# Altium PCB PCB1.PcbDoc (part 3 of 6)
Units mil, origin at the board's own origin, x right, y up, seen from the top; angles counter-clockwise.
Board outline 6000 x 4000 mil, 2 copper layers (Top Layer, Bottom Layer); 1225 components, 1503 nets, 4471 pads, 66 vias.
Unrouted connection lines stored in the file: 2021.
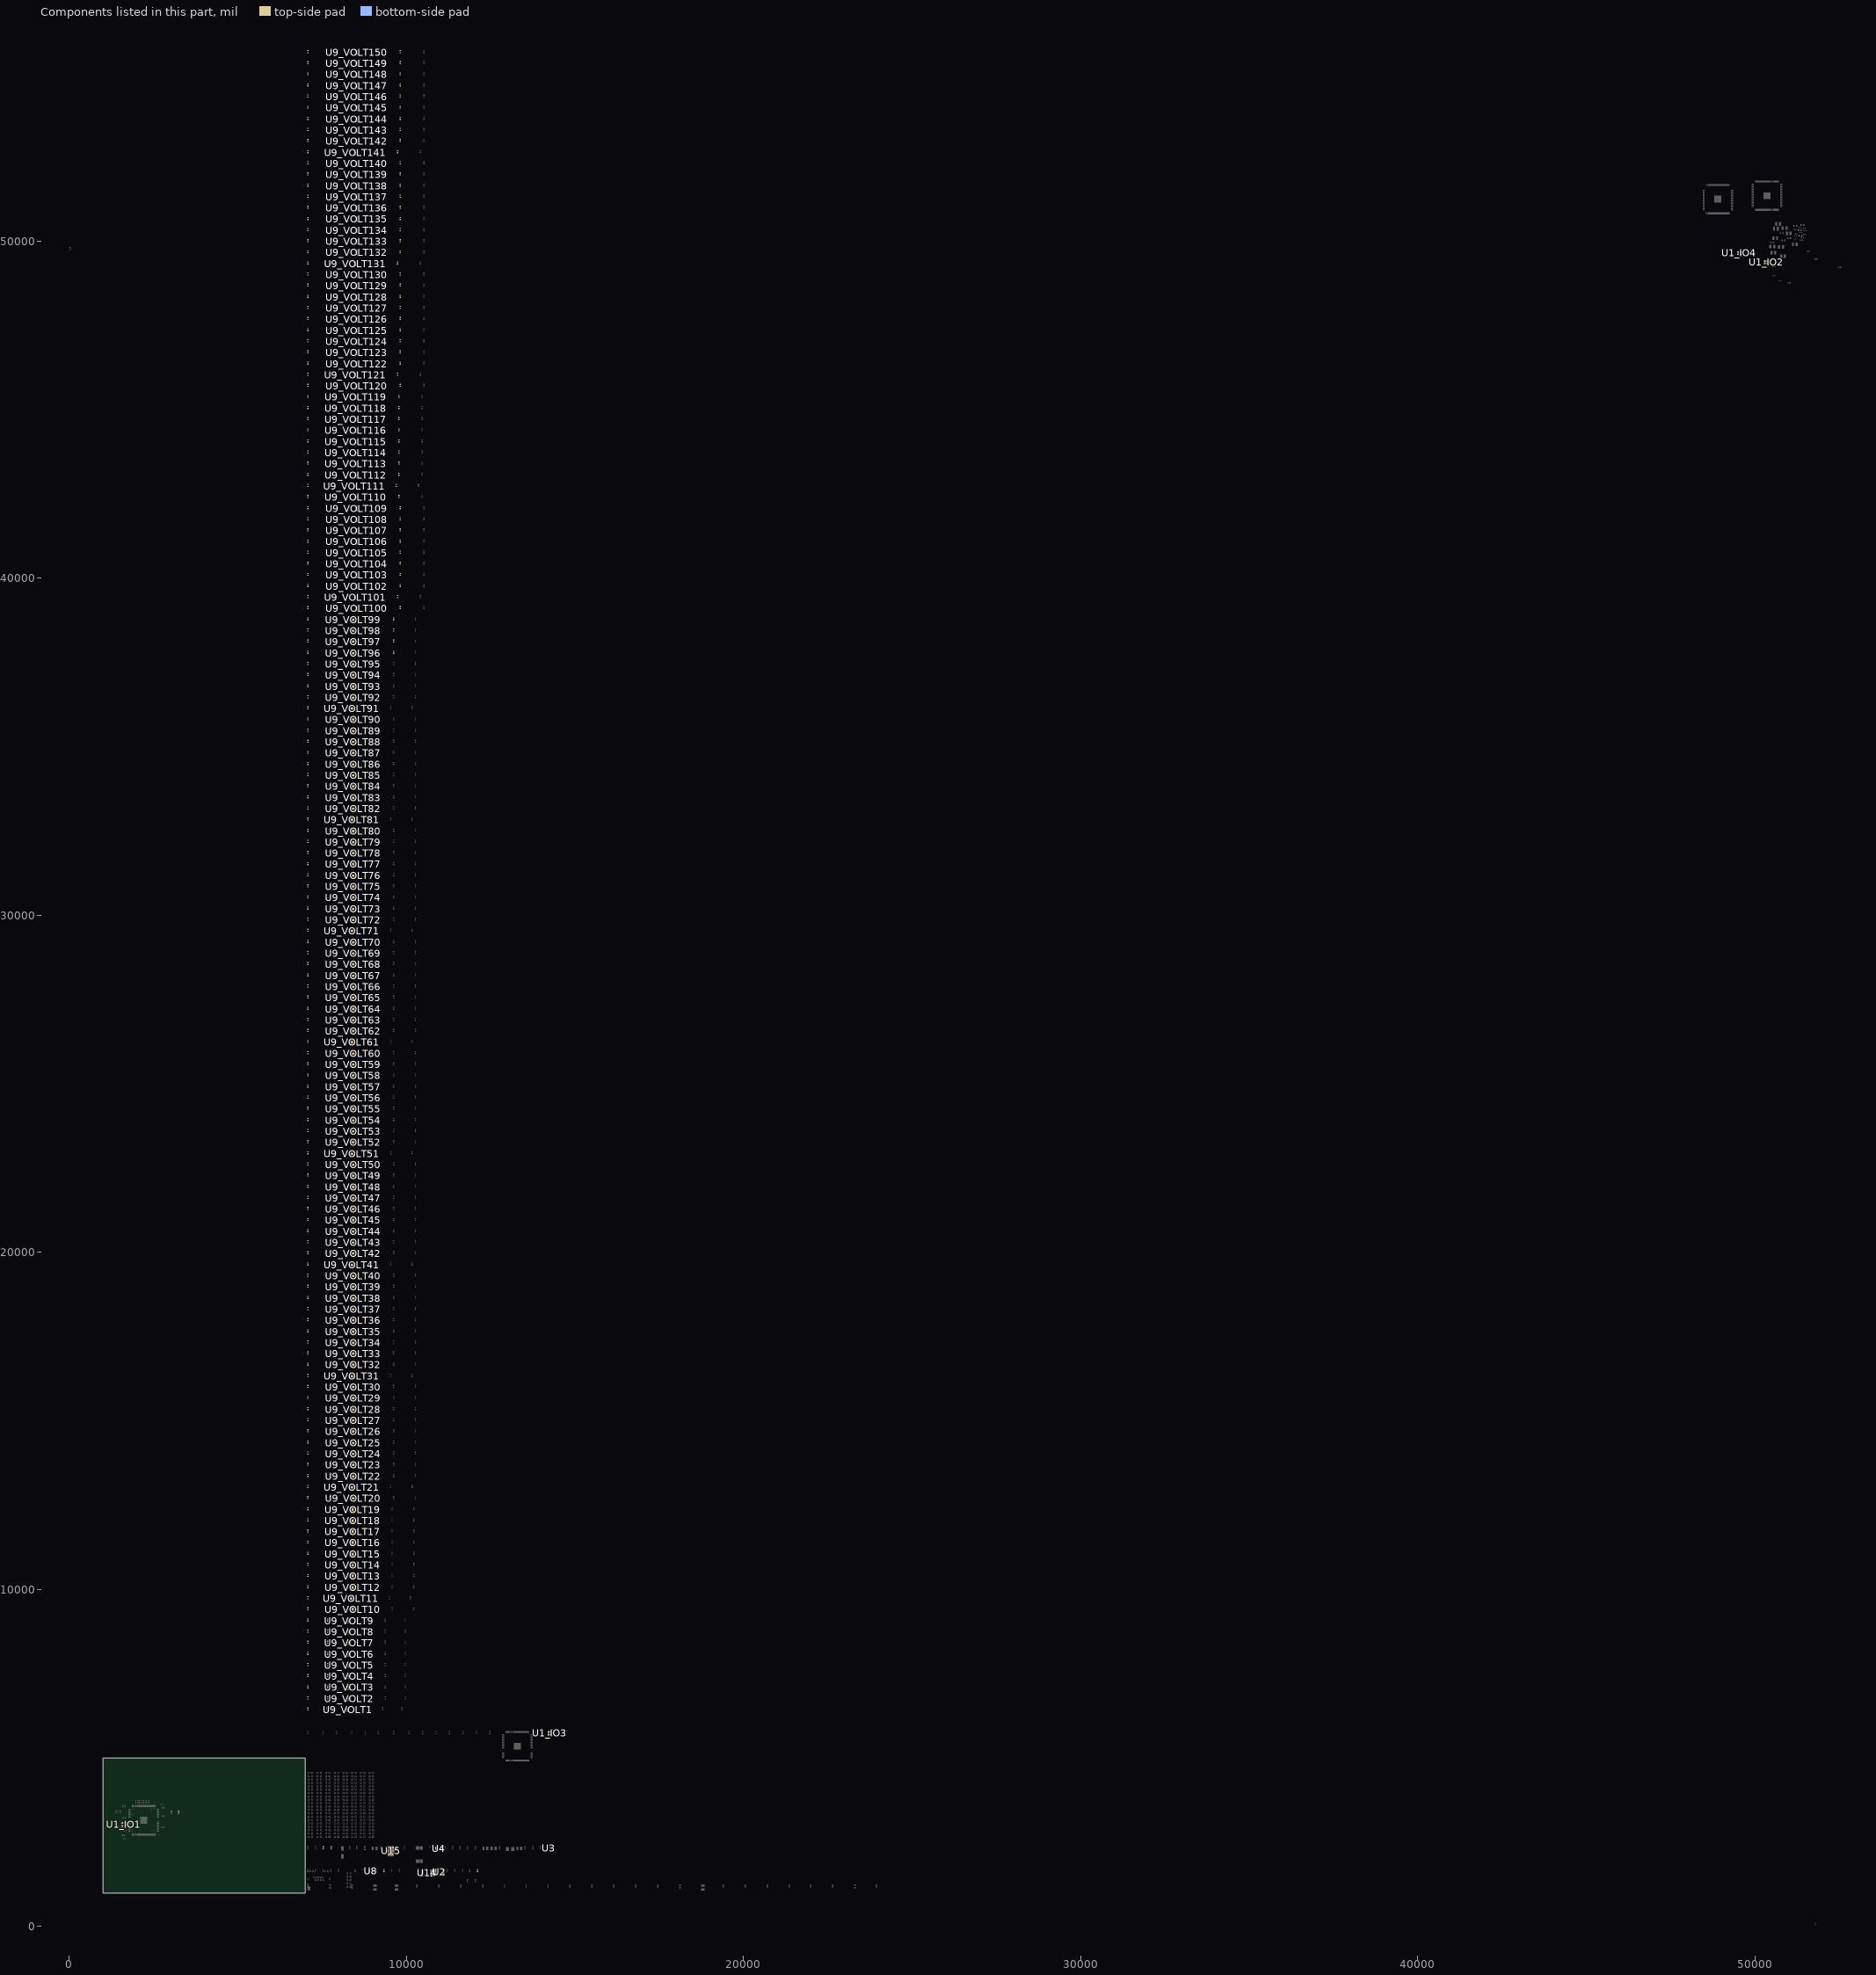
[diagram p3: the components of this part, seen from the top]

## Components (designator, comment, footprint, x,y, rotation, side; value= is the part's Value field where it differs from the comment) (continued)
R27_VOLT96 "160R" 0603R 9620,37805 r90 top (schematic designator R27)
R27_VOLT97 "160R" 0603R 9620,38135 r90 top (schematic designator R27)
R27_VOLT98 "160R" 0603R 9620,38465 r90 top (schematic designator R27)
R27_VOLT99 "160R" 0603R 9620,38795 r90 top (schematic designator R27)
R27_VOLT100 "160R" 0603R 9820,39125 r90 top (schematic designator R27)
R27_VOLT101 "160R" 0603R 9740,39455 r90 top (schematic designator R27)
R27_VOLT102 "160R" 0603R 9820,39785 r90 top (schematic designator R27)
R27_VOLT103 "160R" 0603R 9820,40115 r90 top (schematic designator R27)
R27_VOLT104 "160R" 0603R 9820,40445 r90 top (schematic designator R27)
R27_VOLT105 "160R" 0603R 9820,40775 r90 top (schematic designator R27)
R27_VOLT106 "160R" 0603R 9820,41105 r90 top (schematic designator R27)
R27_VOLT107 "160R" 0603R 9820,41435 r90 top (schematic designator R27)
R27_VOLT108 "160R" 0603R 9820,41765 r90 top (schematic designator R27)
R27_VOLT109 "160R" 0603R 9820,42095 r90 top (schematic designator R27)
R27_VOLT110 "160R" 0603R 9780,42425 r90 top (schematic designator R27)
R27_VOLT111 "160R" 0603R 9700,42755 r90 top (schematic designator R27)
R27_VOLT112 "160R" 0603R 9780,43085 r90 top (schematic designator R27)
R27_VOLT113 "160R" 0603R 9780,43415 r90 top (schematic designator R27)
R27_VOLT114 "160R" 0603R 9780,43745 r90 top (schematic designator R27)
R27_VOLT115 "160R" 0603R 9780,44075 r90 top (schematic designator R27)
R27_VOLT116 "160R" 0603R 9780,44405 r90 top (schematic designator R27)
R27_VOLT117 "160R" 0603R 9780,44735 r90 top (schematic designator R27)
R27_VOLT118 "160R" 0603R 9780,45065 r90 top (schematic designator R27)
R27_VOLT119 "160R" 0603R 9780,45395 r90 top (schematic designator R27)
R27_VOLT120 "160R" 0603R 9820,45725 r90 top (schematic designator R27)
R27_VOLT121 "160R" 0603R 9740,46055 r90 top (schematic designator R27)
R27_VOLT122 "160R" 0603R 9820,46385 r90 top (schematic designator R27)
R27_VOLT123 "160R" 0603R 9820,46715 r90 top (schematic designator R27)
R27_VOLT124 "160R" 0603R 9820,47045 r90 top (schematic designator R27)
R27_VOLT125 "160R" 0603R 9820,47375 r90 top (schematic designator R27)
R27_VOLT126 "160R" 0603R 9820,47705 r90 top (schematic designator R27)
R27_VOLT127 "160R" 0603R 9820,48035 r90 top (schematic designator R27)
R27_VOLT128 "160R" 0603R 9820,48365 r90 top (schematic designator R27)
R27_VOLT129 "160R" 0603R 9820,48695 r90 top (schematic designator R27)
R27_VOLT130 "160R" 0603R 9820,49025 r90 top (schematic designator R27)
R27_VOLT131 "160R" 0603R 9740,49355 r90 top (schematic designator R27)
R27_VOLT132 "160R" 0603R 9820,49685 r90 top (schematic designator R27)
R27_VOLT133 "160R" 0603R 9820,50015 r90 top (schematic designator R27)
R27_VOLT134 "160R" 0603R 9820,50345 r90 top (schematic designator R27)
R27_VOLT135 "160R" 0603R 9820,50675 r90 top (schematic designator R27)
R27_VOLT136 "160R" 0603R 9820,51005 r90 top (schematic designator R27)
R27_VOLT137 "160R" 0603R 9820,51335 r90 top (schematic designator R27)
R27_VOLT138 "160R" 0603R 9820,51665 r90 top (schematic designator R27)
R27_VOLT139 "160R" 0603R 9820,51995 r90 top (schematic designator R27)
R27_VOLT140 "160R" 0603R 9820,52325 r90 top (schematic designator R27)
R27_VOLT141 "160R" 0603R 9740,52655 r90 top (schematic designator R27)
R27_VOLT142 "160R" 0603R 9820,52985 r90 top (schematic designator R27)
R27_VOLT143 "160R" 0603R 9820,53315 r90 top (schematic designator R27)
R27_VOLT144 "160R" 0603R 9820,53645 r90 top (schematic designator R27)
R27_VOLT145 "160R" 0603R 9820,53975 r90 top (schematic designator R27)
R27_VOLT146 "160R" 0603R 9820,54305 r90 top (schematic designator R27)
R27_VOLT147 "160R" 0603R 9820,54635 r90 top (schematic designator R27)
R27_VOLT148 "160R" 0603R 9820,54965 r90 top (schematic designator R27)
R27_VOLT149 "160R" 0603R 9820,55295 r90 top (schematic designator R27)
R27_VOLT150 "160R" 0603R 9820,55625 r90 top (schematic designator R27)
R28_VOLT1 "1K" 0603R 7080,6455 r90 top (schematic designator R28)
R28_VOLT2 "1K" 0603R 7080,6785 r90 top (schematic designator R28)
R28_VOLT3 "1K" 0603R 7080,7115 r90 top (schematic designator R28)
R28_VOLT4 "1K" 0603R 7080,7445 r90 top (schematic designator R28)
R28_VOLT5 "1K" 0603R 7080,7775 r90 top (schematic designator R28)
R28_VOLT6 "1K" 0603R 7080,8105 r90 top (schematic designator R28)
R28_VOLT7 "1K" 0603R 7080,8435 r90 top (schematic designator R28)
R28_VOLT8 "1K" 0603R 7080,8765 r90 top (schematic designator R28)
R28_VOLT9 "1K" 0603R 7080,9095 r90 top (schematic designator R28)
R28_VOLT10 "1K" 0603R 7080,9425 r90 top (schematic designator R28)
R28_VOLT11 "1K" 0603R 7080,9755 r90 top (schematic designator R28)
R28_VOLT12 "1K" 0603R 7080,10085 r90 top (schematic designator R28)
R28_VOLT13 "1K" 0603R 7080,10415 r90 top (schematic designator R28)
R28_VOLT14 "1K" 0603R 7080,10745 r90 top (schematic designator R28)
R28_VOLT15 "1K" 0603R 7080,11075 r90 top (schematic designator R28)
R28_VOLT16 "1K" 0603R 7080,11405 r90 top (schematic designator R28)
R28_VOLT17 "1K" 0603R 7080,11735 r90 top (schematic designator R28)
R28_VOLT18 "1K" 0603R 7080,12065 r90 top (schematic designator R28)
R28_VOLT19 "1K" 0603R 7080,12395 r90 top (schematic designator R28)
R28_VOLT20 "1K" 0603R 7080,12725 r90 top (schematic designator R28)
R28_VOLT21 "1K" 0603R 7080,13055 r90 top (schematic designator R28)
R28_VOLT22 "1K" 0603R 7080,13385 r90 top (schematic designator R28)
R28_VOLT23 "1K" 0603R 7080,13715 r90 top (schematic designator R28)
R28_VOLT24 "1K" 0603R 7080,14045 r90 top (schematic designator R28)
R28_VOLT25 "1K" 0603R 7080,14375 r90 top (schematic designator R28)
R28_VOLT26 "1K" 0603R 7080,14705 r90 top (schematic designator R28)
R28_VOLT27 "1K" 0603R 7080,15035 r90 top (schematic designator R28)
R28_VOLT28 "1K" 0603R 7080,15365 r90 top (schematic designator R28)
R28_VOLT29 "1K" 0603R 7080,15695 r90 top (schematic designator R28)
R28_VOLT30 "1K" 0603R 7080,16025 r90 top (schematic designator R28)
R28_VOLT31 "1K" 0603R 7080,16355 r90 top (schematic designator R28)
R28_VOLT32 "1K" 0603R 7080,16685 r90 top (schematic designator R28)
R28_VOLT33 "1K" 0603R 7080,17015 r90 top (schematic designator R28)
R28_VOLT34 "1K" 0603R 7080,17345 r90 top (schematic designator R28)
R28_VOLT35 "1K" 0603R 7080,17675 r90 top (schematic designator R28)
R28_VOLT36 "1K" 0603R 7080,18005 r90 top (schematic designator R28)
R28_VOLT37 "1K" 0603R 7080,18335 r90 top (schematic designator R28)
R28_VOLT38 "1K" 0603R 7080,18665 r90 top (schematic designator R28)
R28_VOLT39 "1K" 0603R 7080,18995 r90 top (schematic designator R28)
R28_VOLT40 "1K" 0603R 7080,19325 r90 top (schematic designator R28)
R28_VOLT41 "1K" 0603R 7080,19655 r90 top (schematic designator R28)
R28_VOLT42 "1K" 0603R 7080,19985 r90 top (schematic designator R28)
R28_VOLT43 "1K" 0603R 7080,20315 r90 top (schematic designator R28)
R28_VOLT44 "1K" 0603R 7080,20645 r90 top (schematic designator R28)
R28_VOLT45 "1K" 0603R 7080,20975 r90 top (schematic designator R28)
R28_VOLT46 "1K" 0603R 7080,21305 r90 top (schematic designator R28)
R28_VOLT47 "1K" 0603R 7080,21635 r90 top (schematic designator R28)
R28_VOLT48 "1K" 0603R 7080,21965 r90 top (schematic designator R28)
R28_VOLT49 "1K" 0603R 7080,22295 r90 top (schematic designator R28)
R28_VOLT50 "1K" 0603R 7080,22625 r90 top (schematic designator R28)
R28_VOLT51 "1K" 0603R 7080,22955 r90 top (schematic designator R28)
R28_VOLT52 "1K" 0603R 7080,23285 r90 top (schematic designator R28)
R28_VOLT53 "1K" 0603R 7080,23615 r90 top (schematic designator R28)
R28_VOLT54 "1K" 0603R 7080,23945 r90 top (schematic designator R28)
R28_VOLT55 "1K" 0603R 7080,24275 r90 top (schematic designator R28)
R28_VOLT56 "1K" 0603R 7080,24605 r90 top (schematic designator R28)
R28_VOLT57 "1K" 0603R 7080,24935 r90 top (schematic designator R28)
R28_VOLT58 "1K" 0603R 7080,25265 r90 top (schematic designator R28)
R28_VOLT59 "1K" 0603R 7080,25595 r90 top (schematic designator R28)
R28_VOLT60 "1K" 0603R 7080,25925 r90 top (schematic designator R28)
R28_VOLT61 "1K" 0603R 7080,26255 r90 top (schematic designator R28)
R28_VOLT62 "1K" 0603R 7080,26585 r90 top (schematic designator R28)
R28_VOLT63 "1K" 0603R 7080,26915 r90 top (schematic designator R28)
R28_VOLT64 "1K" 0603R 7080,27245 r90 top (schematic designator R28)
R28_VOLT65 "1K" 0603R 7080,27575 r90 top (schematic designator R28)
R28_VOLT66 "1K" 0603R 7080,27905 r90 top (schematic designator R28)
R28_VOLT67 "1K" 0603R 7080,28235 r90 top (schematic designator R28)
R28_VOLT68 "1K" 0603R 7080,28565 r90 top (schematic designator R28)
R28_VOLT69 "1K" 0603R 7080,28895 r90 top (schematic designator R28)
R28_VOLT70 "1K" 0603R 7080,29225 r90 top (schematic designator R28)
R28_VOLT71 "1K" 0603R 7080,29555 r90 top (schematic designator R28)
R28_VOLT72 "1K" 0603R 7080,29885 r90 top (schematic designator R28)
R28_VOLT73 "1K" 0603R 7080,30215 r90 top (schematic designator R28)
R28_VOLT74 "1K" 0603R 7080,30545 r90 top (schematic designator R28)
R28_VOLT75 "1K" 0603R 7080,30875 r90 top (schematic designator R28)
R28_VOLT76 "1K" 0603R 7080,31205 r90 top (schematic designator R28)
R28_VOLT77 "1K" 0603R 7080,31535 r90 top (schematic designator R28)
R28_VOLT78 "1K" 0603R 7080,31865 r90 top (schematic designator R28)
R28_VOLT79 "1K" 0603R 7080,32195 r90 top (schematic designator R28)
R28_VOLT80 "1K" 0603R 7080,32525 r90 top (schematic designator R28)
R28_VOLT81 "1K" 0603R 7080,32855 r90 top (schematic designator R28)
R28_VOLT82 "1K" 0603R 7080,33185 r90 top (schematic designator R28)
R28_VOLT83 "1K" 0603R 7080,33515 r90 top (schematic designator R28)
R28_VOLT84 "1K" 0603R 7080,33845 r90 top (schematic designator R28)
R28_VOLT85 "1K" 0603R 7080,34175 r90 top (schematic designator R28)
R28_VOLT86 "1K" 0603R 7080,34505 r90 top (schematic designator R28)
R28_VOLT87 "1K" 0603R 7080,34835 r90 top (schematic designator R28)
R28_VOLT88 "1K" 0603R 7080,35165 r90 top (schematic designator R28)
R28_VOLT89 "1K" 0603R 7080,35495 r90 top (schematic designator R28)
R28_VOLT90 "1K" 0603R 7080,35825 r90 top (schematic designator R28)
R28_VOLT91 "1K" 0603R 7080,36155 r90 top (schematic designator R28)
R28_VOLT92 "1K" 0603R 7080,36485 r90 top (schematic designator R28)
R28_VOLT93 "1K" 0603R 7080,36815 r90 top (schematic designator R28)
R28_VOLT94 "1K" 0603R 7080,37145 r90 top (schematic designator R28)
R28_VOLT95 "1K" 0603R 7080,37475 r90 top (schematic designator R28)
R28_VOLT96 "1K" 0603R 7080,37805 r90 top (schematic designator R28)
R28_VOLT97 "1K" 0603R 7080,38135 r90 top (schematic designator R28)
R28_VOLT98 "1K" 0603R 7080,38465 r90 top (schematic designator R28)
R28_VOLT99 "1K" 0603R 7080,38795 r90 top (schematic designator R28)
R28_VOLT100 "1K" 0603R 7080,39125 r90 top (schematic designator R28)
R28_VOLT101 "1K" 0603R 7080,39455 r90 top (schematic designator R28)
R28_VOLT102 "1K" 0603R 7080,39785 r90 top (schematic designator R28)
R28_VOLT103 "1K" 0603R 7080,40115 r90 top (schematic designator R28)
R28_VOLT104 "1K" 0603R 7080,40445 r90 top (schematic designator R28)
R28_VOLT105 "1K" 0603R 7080,40775 r90 top (schematic designator R28)
R28_VOLT106 "1K" 0603R 7080,41105 r90 top (schematic designator R28)
R28_VOLT107 "1K" 0603R 7080,41435 r90 top (schematic designator R28)
R28_VOLT108 "1K" 0603R 7080,41765 r90 top (schematic designator R28)
R28_VOLT109 "1K" 0603R 7080,42095 r90 top (schematic designator R28)
R28_VOLT110 "1K" 0603R 7080,42425 r90 top (schematic designator R28)
R28_VOLT111 "1K" 0603R 7080,42755 r90 top (schematic designator R28)
R28_VOLT112 "1K" 0603R 7080,43085 r90 top (schematic designator R28)
R28_VOLT113 "1K" 0603R 7080,43415 r90 top (schematic designator R28)
R28_VOLT114 "1K" 0603R 7080,43745 r90 top (schematic designator R28)
R28_VOLT115 "1K" 0603R 7080,44075 r90 top (schematic designator R28)
R28_VOLT116 "1K" 0603R 7080,44405 r90 top (schematic designator R28)
R28_VOLT117 "1K" 0603R 7080,44735 r90 top (schematic designator R28)
R28_VOLT118 "1K" 0603R 7080,45065 r90 top (schematic designator R28)
R28_VOLT119 "1K" 0603R 7080,45395 r90 top (schematic designator R28)
R28_VOLT120 "1K" 0603R 7080,45725 r90 top (schematic designator R28)
R28_VOLT121 "1K" 0603R 7080,46055 r90 top (schematic designator R28)
R28_VOLT122 "1K" 0603R 7080,46385 r90 top (schematic designator R28)
R28_VOLT123 "1K" 0603R 7080,46715 r90 top (schematic designator R28)
R28_VOLT124 "1K" 0603R 7080,47045 r90 top (schematic designator R28)
R28_VOLT125 "1K" 0603R 7080,47375 r90 top (schematic designator R28)
R28_VOLT126 "1K" 0603R 7080,47705 r90 top (schematic designator R28)
R28_VOLT127 "1K" 0603R 7080,48035 r90 top (schematic designator R28)
R28_VOLT128 "1K" 0603R 7080,48365 r90 top (schematic designator R28)
R28_VOLT129 "1K" 0603R 7080,48695 r90 top (schematic designator R28)
R28_VOLT130 "1K" 0603R 7080,49025 r90 top (schematic designator R28)
R28_VOLT131 "1K" 0603R 7080,49355 r90 top (schematic designator R28)
R28_VOLT132 "1K" 0603R 7080,49685 r90 top (schematic designator R28)
R28_VOLT133 "1K" 0603R 7080,50015 r90 top (schematic designator R28)
R28_VOLT134 "1K" 0603R 7080,50345 r90 top (schematic designator R28)
R28_VOLT135 "1K" 0603R 7080,50675 r90 top (schematic designator R28)
R28_VOLT136 "1K" 0603R 7080,51005 r90 top (schematic designator R28)
R28_VOLT137 "1K" 0603R 7080,51335 r90 top (schematic designator R28)
R28_VOLT138 "1K" 0603R 7080,51665 r90 top (schematic designator R28)
R28_VOLT139 "1K" 0603R 7080,51995 r90 top (schematic designator R28)
R28_VOLT140 "1K" 0603R 7080,52325 r90 top (schematic designator R28)
R28_VOLT141 "1K" 0603R 7080,52655 r90 top (schematic designator R28)
R28_VOLT142 "1K" 0603R 7080,52985 r90 top (schematic designator R28)
R28_VOLT143 "1K" 0603R 7080,53315 r90 top (schematic designator R28)
R28_VOLT144 "1K" 0603R 7080,53645 r90 top (schematic designator R28)
R28_VOLT145 "1K" 0603R 7080,53975 r90 top (schematic designator R28)
R28_VOLT146 "1K" 0603R 7080,54305 r90 top (schematic designator R28)
R28_VOLT147 "1K" 0603R 7080,54635 r90 top (schematic designator R28)
R28_VOLT148 "1K" 0603R 7080,54965 r90 top (schematic designator R28)
R28_VOLT149 "1K" 0603R 7080,55295 r90 top (schematic designator R28)
R28_VOLT150 "1K" 0603R 7080,55625 r90 top (schematic designator R28)
R29_VOLT1 "160R" 0603R 7650,6455 r90 top (schematic designator R29)
R29_VOLT2 "160R" 0603R 7670,6785 r90 top (schematic designator R29)
R29_VOLT3 "160R" 0603R 7670,7115 r90 top (schematic designator R29)
R29_VOLT4 "160R" 0603R 7670,7445 r90 top (schematic designator R29)
R29_VOLT5 "160R" 0603R 7670,7775 r90 top (schematic designator R29)
R29_VOLT6 "160R" 0603R 7670,8105 r90 top (schematic designator R29)
R29_VOLT7 "160R" 0603R 7670,8435 r90 top (schematic designator R29)
R29_VOLT8 "160R" 0603R 7670,8765 r90 top (schematic designator R29)
R29_VOLT9 "160R" 0603R 7670,9095 r90 top (schematic designator R29)
R29_VOLT10 "160R" 0603R 7720,9425 r90 top (schematic designator R29)
R29_VOLT11 "160R" 0603R 7700,9755 r90 top (schematic designator R29)
R29_VOLT12 "160R" 0603R 7720,10085 r90 top (schematic designator R29)
R29_VOLT13 "160R" 0603R 7720,10415 r90 top (schematic designator R29)
R29_VOLT14 "160R" 0603R 7720,10745 r90 top (schematic designator R29)
R29_VOLT15 "160R" 0603R 7720,11075 r90 top (schematic designator R29)
R29_VOLT16 "160R" 0603R 7720,11405 r90 top (schematic designator R29)
R29_VOLT17 "160R" 0603R 7720,11735 r90 top (schematic designator R29)
R29_VOLT18 "160R" 0603R 7720,12065 r90 top (schematic designator R29)
R29_VOLT19 "160R" 0603R 7720,12395 r90 top (schematic designator R29)
R29_VOLT20 "160R" 0603R 7730,12725 r90 top (schematic designator R29)
R29_VOLT21 "160R" 0603R 7710,13055 r90 top (schematic designator R29)
R29_VOLT22 "160R" 0603R 7730,13385 r90 top (schematic designator R29)
R29_VOLT23 "160R" 0603R 7730,13715 r90 top (schematic designator R29)
R29_VOLT24 "160R" 0603R 7730,14045 r90 top (schematic designator R29)
R29_VOLT25 "160R" 0603R 7730,14375 r90 top (schematic designator R29)
R29_VOLT26 "160R" 0603R 7730,14705 r90 top (schematic designator R29)
R29_VOLT27 "160R" 0603R 7730,15035 r90 top (schematic designator R29)
R29_VOLT28 "160R" 0603R 7730,15365 r90 top (schematic designator R29)
R29_VOLT29 "160R" 0603R 7730,15695 r90 top (schematic designator R29)
R29_VOLT30 "160R" 0603R 7730,16025 r90 top (schematic designator R29)
R29_VOLT31 "160R" 0603R 7710,16355 r90 top (schematic designator R29)
R29_VOLT32 "160R" 0603R 7730,16685 r90 top (schematic designator R29)
R29_VOLT33 "160R" 0603R 7730,17015 r90 top (schematic designator R29)
R29_VOLT34 "160R" 0603R 7730,17345 r90 top (schematic designator R29)
R29_VOLT35 "160R" 0603R 7730,17675 r90 top (schematic designator R29)
R29_VOLT36 "160R" 0603R 7730,18005 r90 top (schematic designator R29)
R29_VOLT37 "160R" 0603R 7730,18335 r90 top (schematic designator R29)
R29_VOLT38 "160R" 0603R 7730,18665 r90 top (schematic designator R29)
R29_VOLT39 "160R" 0603R 7730,18995 r90 top (schematic designator R29)
R29_VOLT40 "160R" 0603R 7730,19325 r90 top (schematic designator R29)
R29_VOLT41 "160R" 0603R 7710,19655 r90 top (schematic designator R29)
R29_VOLT42 "160R" 0603R 7730,19985 r90 top (schematic designator R29)
R29_VOLT43 "160R" 0603R 7730,20315 r90 top (schematic designator R29)
R29_VOLT44 "160R" 0603R 7730,20645 r90 top (schematic designator R29)
R29_VOLT45 "160R" 0603R 7730,20975 r90 top (schematic designator R29)
R29_VOLT46 "160R" 0603R 7730,21305 r90 top (schematic designator R29)
R29_VOLT47 "160R" 0603R 7730,21635 r90 top (schematic designator R29)
R29_VOLT48 "160R" 0603R 7730,21965 r90 top (schematic designator R29)
R29_VOLT49 "160R" 0603R 7730,22295 r90 top (schematic designator R29)
R29_VOLT50 "160R" 0603R 7730,22625 r90 top (schematic designator R29)
R29_VOLT51 "160R" 0603R 7710,22955 r90 top (schematic designator R29)
R29_VOLT52 "160R" 0603R 7730,23285 r90 top (schematic designator R29)
R29_VOLT53 "160R" 0603R 7730,23615 r90 top (schematic designator R29)
R29_VOLT54 "160R" 0603R 7730,23945 r90 top (schematic designator R29)
R29_VOLT55 "160R" 0603R 7730,24275 r90 top (schematic designator R29)
R29_VOLT56 "160R" 0603R 7730,24605 r90 top (schematic designator R29)
R29_VOLT57 "160R" 0603R 7730,24935 r90 top (schematic designator R29)
R29_VOLT58 "160R" 0603R 7730,25265 r90 top (schematic designator R29)
R29_VOLT59 "160R" 0603R 7730,25595 r90 top (schematic designator R29)
R29_VOLT60 "160R" 0603R 7730,25925 r90 top (schematic designator R29)
R29_VOLT61 "160R" 0603R 7710,26255 r90 top (schematic designator R29)
R29_VOLT62 "160R" 0603R 7730,26585 r90 top (schematic designator R29)
R29_VOLT63 "160R" 0603R 7730,26915 r90 top (schematic designator R29)
R29_VOLT64 "160R" 0603R 7730,27245 r90 top (schematic designator R29)
R29_VOLT65 "160R" 0603R 7730,27575 r90 top (schematic designator R29)
R29_VOLT66 "160R" 0603R 7730,27905 r90 top (schematic designator R29)
R29_VOLT67 "160R" 0603R 7730,28235 r90 top (schematic designator R29)
R29_VOLT68 "160R" 0603R 7730,28565 r90 top (schematic designator R29)
R29_VOLT69 "160R" 0603R 7730,28895 r90 top (schematic designator R29)
R29_VOLT70 "160R" 0603R 7730,29225 r90 top (schematic designator R29)
R29_VOLT71 "160R" 0603R 7710,29555 r90 top (schematic designator R29)
R29_VOLT72 "160R" 0603R 7730,29885 r90 top (schematic designator R29)
R29_VOLT73 "160R" 0603R 7730,30215 r90 top (schematic designator R29)
R29_VOLT74 "160R" 0603R 7730,30545 r90 top (schematic designator R29)
R29_VOLT75 "160R" 0603R 7730,30875 r90 top (schematic designator R29)
R29_VOLT76 "160R" 0603R 7730,31205 r90 top (schematic designator R29)
R29_VOLT77 "160R" 0603R 7730,31535 r90 top (schematic designator R29)
R29_VOLT78 "160R" 0603R 7730,31865 r90 top (schematic designator R29)
R29_VOLT79 "160R" 0603R 7730,32195 r90 top (schematic designator R29)
R29_VOLT80 "160R" 0603R 7730,32525 r90 top (schematic designator R29)
R29_VOLT81 "160R" 0603R 7710,32855 r90 top (schematic designator R29)
R29_VOLT82 "160R" 0603R 7730,33185 r90 top (schematic designator R29)
R29_VOLT83 "160R" 0603R 7730,33515 r90 top (schematic designator R29)
R29_VOLT84 "160R" 0603R 7730,33845 r90 top (schematic designator R29)
R29_VOLT85 "160R" 0603R 7730,34175 r90 top (schematic designator R29)
R29_VOLT86 "160R" 0603R 7730,34505 r90 top (schematic designator R29)
R29_VOLT87 "160R" 0603R 7730,34835 r90 top (schematic designator R29)
R29_VOLT88 "160R" 0603R 7730,35165 r90 top (schematic designator R29)
R29_VOLT89 "160R" 0603R 7730,35495 r90 top (schematic designator R29)
R29_VOLT90 "160R" 0603R 7730,35825 r90 top (schematic designator R29)
R29_VOLT91 "160R" 0603R 7710,36155 r90 top (schematic designator R29)
R29_VOLT92 "160R" 0603R 7730,36485 r90 top (schematic designator R29)
R29_VOLT93 "160R" 0603R 7730,36815 r90 top (schematic designator R29)
R29_VOLT94 "160R" 0603R 7730,37145 r90 top (schematic designator R29)
R29_VOLT95 "160R" 0603R 7730,37475 r90 top (schematic designator R29)
R29_VOLT96 "160R" 0603R 7730,37805 r90 top (schematic designator R29)
R29_VOLT97 "160R" 0603R 7730,38135 r90 top (schematic designator R29)
R29_VOLT98 "160R" 0603R 7730,38465 r90 top (schematic designator R29)
R29_VOLT99 "160R" 0603R 7730,38795 r90 top (schematic designator R29)
R29_VOLT100 "160R" 0603R 7780,39125 r90 top (schematic designator R29)
R29_VOLT101 "160R" 0603R 7760,39455 r90 top (schematic designator R29)
R29_VOLT102 "160R" 0603R 7780,39785 r90 top (schematic designator R29)
R29_VOLT103 "160R" 0603R 7780,40115 r90 top (schematic designator R29)
R29_VOLT104 "160R" 0603R 7780,40445 r90 top (schematic designator R29)
R29_VOLT105 "160R" 0603R 7780,40775 r90 top (schematic designator R29)
R29_VOLT106 "160R" 0603R 7780,41105 r90 top (schematic designator R29)
R29_VOLT107 "160R" 0603R 7780,41435 r90 top (schematic designator R29)
R29_VOLT108 "160R" 0603R 7780,41765 r90 top (schematic designator R29)
R29_VOLT109 "160R" 0603R 7780,42095 r90 top (schematic designator R29)
R29_VOLT110 "160R" 0603R 7770,42425 r90 top (schematic designator R29)
R29_VOLT111 "160R" 0603R 7750,42755 r90 top (schematic designator R29)
R29_VOLT112 "160R" 0603R 7770,43085 r90 top (schematic designator R29)
R29_VOLT113 "160R" 0603R 7770,43415 r90 top (schematic designator R29)
R29_VOLT114 "160R" 0603R 7770,43745 r90 top (schematic designator R29)
R29_VOLT115 "160R" 0603R 7770,44075 r90 top (schematic designator R29)
R29_VOLT116 "160R" 0603R 7770,44405 r90 top (schematic designator R29)
R29_VOLT117 "160R" 0603R 7770,44735 r90 top (schematic designator R29)
R29_VOLT118 "160R" 0603R 7770,45065 r90 top (schematic designator R29)
R29_VOLT119 "160R" 0603R 7770,45395 r90 top (schematic designator R29)
R29_VOLT120 "160R" 0603R 7780,45725 r90 top (schematic designator R29)
R29_VOLT121 "160R" 0603R 7760,46055 r90 top (schematic designator R29)
R29_VOLT122 "160R" 0603R 7780,46385 r90 top (schematic designator R29)
R29_VOLT123 "160R" 0603R 7780,46715 r90 top (schematic designator R29)
R29_VOLT124 "160R" 0603R 7780,47045 r90 top (schematic designator R29)
R29_VOLT125 "160R" 0603R 7780,47375 r90 top (schematic designator R29)
R29_VOLT126 "160R" 0603R 7780,47705 r90 top (schematic designator R29)
R29_VOLT127 "160R" 0603R 7780,48035 r90 top (schematic designator R29)
R29_VOLT128 "160R" 0603R 7780,48365 r90 top (schematic designator R29)
R29_VOLT129 "160R" 0603R 7780,48695 r90 top (schematic designator R29)
R29_VOLT130 "160R" 0603R 7780,49025 r90 top (schematic designator R29)
R29_VOLT131 "160R" 0603R 7760,49355 r90 top (schematic designator R29)
R29_VOLT132 "160R" 0603R 7780,49685 r90 top (schematic designator R29)
R29_VOLT133 "160R" 0603R 7780,50015 r90 top (schematic designator R29)
R29_VOLT134 "160R" 0603R 7780,50345 r90 top (schematic designator R29)
R29_VOLT135 "160R" 0603R 7780,50675 r90 top (schematic designator R29)
R29_VOLT136 "160R" 0603R 7780,51005 r90 top (schematic designator R29)
R29_VOLT137 "160R" 0603R 7780,51335 r90 top (schematic designator R29)
R29_VOLT138 "160R" 0603R 7780,51665 r90 top (schematic designator R29)
R29_VOLT139 "160R" 0603R 7780,51995 r90 top (schematic designator R29)
R29_VOLT140 "160R" 0603R 7780,52325 r90 top (schematic designator R29)
R29_VOLT141 "160R" 0603R 7760,52655 r90 top (schematic designator R29)
R29_VOLT142 "160R" 0603R 7780,52985 r90 top (schematic designator R29)
R29_VOLT143 "160R" 0603R 7780,53315 r90 top (schematic designator R29)
R29_VOLT144 "160R" 0603R 7780,53645 r90 top (schematic designator R29)
R29_VOLT145 "160R" 0603R 7780,53975 r90 top (schematic designator R29)
R29_VOLT146 "160R" 0603R 7780,54305 r90 top (schematic designator R29)
R29_VOLT147 "160R" 0603R 7780,54635 r90 top (schematic designator R29)
R29_VOLT148 "160R" 0603R 7780,54965 r90 top (schematic designator R29)
R29_VOLT149 "160R" 0603R 7780,55295 r90 top (schematic designator R29)
R29_VOLT150 "160R" 0603R 7780,55625 r90 top (schematic designator R29)
R30 "10K" 0603R 12110,1665 r90 top
R31 "10K" 0603R 3034,3389 r90 top
R32 "10K" 0603R 3244,3389 r90 top
R33 "10K" 0603R 9105,1665 r90 top
R34 "10K" 0603R 9335,1665 r90 top
R45 "330K" 0603R 9715,2335 r90 top
R47 "5.23K" 0603R 7540,2335 r90 top
R48 "86.6K" 0603R 7770,2335 r90 top
U1_IO1 "OSC-25" ASE-25.000MHZ-LC-T 1612.48,3028.66 r270 top value=25MHZ (schematic designator U1)
U1_IO2 "OSC-25" ASE-25.000MHZ-LC-T 50335,49380 r0 top value=25MHZ (schematic designator U1)
U1_IO3 "OSC-25" ASE-25.000MHZ-LC-T 14250,5735 r90 top value=25MHZ (schematic designator U1)
U1_IO4 "OSC-25" ASE-25.000MHZ-LC-T 49538.66,49647.52 r0 top value=25MHZ (schematic designator U1)
U2 "MAX3232CPWR" MAX3232CPWR 10985,1615 r0 top
U3 "MP2333HGTL" MP2333HGTL-P 14225,2325 r0 top value=3.3V
U4 "MCP4562" MCP4562T-503E/MS 10965,2315 r0 top value=50K
U8 "NUP4114" NUP4114HMR6T1G 8950,1640 r0 top value=TVS
U9_VOLT1 "IX4427MTR" IX4427MTR 8265,6430 r90 top (schematic designator U9)
U9_VOLT2 "IX4427MTR" IX4427MTR 8305,6760 r90 top (schematic designator U9)
U9_VOLT3 "IX4427MTR" IX4427MTR 8305,7090 r90 top (schematic designator U9)
U9_VOLT4 "IX4427MTR" IX4427MTR 8305,7420 r90 top (schematic designator U9)
U9_VOLT5 "IX4427MTR" IX4427MTR 8305,7750 r90 top (schematic designator U9)
U9_VOLT6 "IX4427MTR" IX4427MTR 8305,8080 r90 top (schematic designator U9)
U9_VOLT7 "IX4427MTR" IX4427MTR 8305,8410 r90 top (schematic designator U9)
U9_VOLT8 "IX4427MTR" IX4427MTR 8305,8740 r90 top (schematic designator U9)
U9_VOLT9 "IX4427MTR" IX4427MTR 8305,9070 r90 top (schematic designator U9)
U9_VOLT10 "IX4427MTR" IX4427MTR 8405,9400 r90 top (schematic designator U9)
U9_VOLT11 "IX4427MTR" IX4427MTR 8365,9730 r90 top (schematic designator U9)
U9_VOLT12 "IX4427MTR" IX4427MTR 8405,10060 r90 top (schematic designator U9)
U9_VOLT13 "IX4427MTR" IX4427MTR 8405,10390 r90 top (schematic designator U9)
U9_VOLT14 "IX4427MTR" IX4427MTR 8405,10720 r90 top (schematic designator U9)
U9_VOLT15 "IX4427MTR" IX4427MTR 8405,11050 r90 top (schematic designator U9)
U9_VOLT16 "IX4427MTR" IX4427MTR 8405,11380 r90 top (schematic designator U9)
U9_VOLT17 "IX4427MTR" IX4427MTR 8405,11710 r90 top (schematic designator U9)
U9_VOLT18 "IX4427MTR" IX4427MTR 8405,12040 r90 top (schematic designator U9)
U9_VOLT19 "IX4427MTR" IX4427MTR 8405,12370 r90 top (schematic designator U9)
U9_VOLT20 "IX4427MTR" IX4427MTR 8425,12700 r90 top (schematic designator U9)
U9_VOLT21 "IX4427MTR" IX4427MTR 8385,13030 r90 top (schematic designator U9)
U9_VOLT22 "IX4427MTR" IX4427MTR 8425,13360 r90 top (schematic designator U9)
U9_VOLT23 "IX4427MTR" IX4427MTR 8425,13690 r90 top (schematic designator U9)
U9_VOLT24 "IX4427MTR" IX4427MTR 8425,14020 r90 top (schematic designator U9)
U9_VOLT25 "IX4427MTR" IX4427MTR 8425,14350 r90 top (schematic designator U9)
U9_VOLT26 "IX4427MTR" IX4427MTR 8425,14680 r90 top (schematic designator U9)
U9_VOLT27 "IX4427MTR" IX4427MTR 8425,15010 r90 top (schematic designator U9)
U9_VOLT28 "IX4427MTR" IX4427MTR 8425,15340 r90 top (schematic designator U9)
U9_VOLT29 "IX4427MTR" IX4427MTR 8425,15670 r90 top (schematic designator U9)
U9_VOLT30 "IX4427MTR" IX4427MTR 8425,16000 r90 top (schematic designator U9)
U9_VOLT31 "IX4427MTR" IX4427MTR 8385,16330 r90 top (schematic designator U9)
U9_VOLT32 "IX4427MTR" IX4427MTR 8425,16660 r90 top (schematic designator U9)
U9_VOLT33 "IX4427MTR" IX4427MTR 8425,16990 r90 top (schematic designator U9)
U9_VOLT34 "IX4427MTR" IX4427MTR 8425,17320 r90 top (schematic designator U9)
U9_VOLT35 "IX4427MTR" IX4427MTR 8425,17650 r90 top (schematic designator U9)
U9_VOLT36 "IX4427MTR" IX4427MTR 8425,17980 r90 top (schematic designator U9)
U9_VOLT37 "IX4427MTR" IX4427MTR 8425,18310 r90 top (schematic designator U9)
U9_VOLT38 "IX4427MTR" IX4427MTR 8425,18640 r90 top (schematic designator U9)
U9_VOLT39 "IX4427MTR" IX4427MTR 8425,18970 r90 top (schematic designator U9)
U9_VOLT40 "IX4427MTR" IX4427MTR 8425,19300 r90 top (schematic designator U9)
U9_VOLT41 "IX4427MTR" IX4427MTR 8385,19630 r90 top (schematic designator U9)
U9_VOLT42 "IX4427MTR" IX4427MTR 8425,19960 r90 top (schematic designator U9)
U9_VOLT43 "IX4427MTR" IX4427MTR 8425,20290 r90 top (schematic designator U9)
U9_VOLT44 "IX4427MTR" IX4427MTR 8425,20620 r90 top (schematic designator U9)
U9_VOLT45 "IX4427MTR" IX4427MTR 8425,20950 r90 top (schematic designator U9)
U9_VOLT46 "IX4427MTR" IX4427MTR 8425,21280 r90 top (schematic designator U9)
U9_VOLT47 "IX4427MTR" IX4427MTR 8425,21610 r90 top (schematic designator U9)
U9_VOLT48 "IX4427MTR" IX4427MTR 8425,21940 r90 top (schematic designator U9)
U9_VOLT49 "IX4427MTR" IX4427MTR 8425,22270 r90 top (schematic designator U9)
U9_VOLT50 "IX4427MTR" IX4427MTR 8425,22600 r90 top (schematic designator U9)
U9_VOLT51 "IX4427MTR" IX4427MTR 8385,22930 r90 top (schematic designator U9)
U9_VOLT52 "IX4427MTR" IX4427MTR 8425,23260 r90 top (schematic designator U9)
U9_VOLT53 "IX4427MTR" IX4427MTR 8425,23590 r90 top (schematic designator U9)
U9_VOLT54 "IX4427MTR" IX4427MTR 8425,23920 r90 top (schematic designator U9)
U9_VOLT55 "IX4427MTR" IX4427MTR 8425,24250 r90 top (schematic designator U9)
U9_VOLT56 "IX4427MTR" IX4427MTR 8425,24580 r90 top (schematic designator U9)
U9_VOLT57 "IX4427MTR" IX4427MTR 8425,24910 r90 top (schematic designator U9)
U9_VOLT58 "IX4427MTR" IX4427MTR 8425,25240 r90 top (schematic designator U9)
U9_VOLT59 "IX4427MTR" IX4427MTR 8425,25570 r90 top (schematic designator U9)
U9_VOLT60 "IX4427MTR" IX4427MTR 8425,25900 r90 top (schematic designator U9)
U9_VOLT61 "IX4427MTR" IX4427MTR 8385,26230 r90 top (schematic designator U9)
U9_VOLT62 "IX4427MTR" IX4427MTR 8425,26560 r90 top (schematic designator U9)
U9_VOLT63 "IX4427MTR" IX4427MTR 8425,26890 r90 top (schematic designator U9)
U9_VOLT64 "IX4427MTR" IX4427MTR 8425,27220 r90 top (schematic designator U9)
U9_VOLT65 "IX4427MTR" IX4427MTR 8425,27550 r90 top (schematic designator U9)
U9_VOLT66 "IX4427MTR" IX4427MTR 8425,27880 r90 top (schematic designator U9)
U9_VOLT67 "IX4427MTR" IX4427MTR 8425,28210 r90 top (schematic designator U9)
U9_VOLT68 "IX4427MTR" IX4427MTR 8425,28540 r90 top (schematic designator U9)
U9_VOLT69 "IX4427MTR" IX4427MTR 8425,28870 r90 top (schematic designator U9)
U9_VOLT70 "IX4427MTR" IX4427MTR 8425,29200 r90 top (schematic designator U9)
U9_VOLT71 "IX4427MTR" IX4427MTR 8385,29530 r90 top (schematic designator U9)
U9_VOLT72 "IX4427MTR" IX4427MTR 8425,29860 r90 top (schematic designator U9)
U9_VOLT73 "IX4427MTR" IX4427MTR 8425,30190 r90 top (schematic designator U9)
U9_VOLT74 "IX4427MTR" IX4427MTR 8425,30520 r90 top (schematic designator U9)
U9_VOLT75 "IX4427MTR" IX4427MTR 8425,30850 r90 top (schematic designator U9)
U9_VOLT76 "IX4427MTR" IX4427MTR 8425,31180 r90 top (schematic designator U9)
U9_VOLT77 "IX4427MTR" IX4427MTR 8425,31510 r90 top (schematic designator U9)
U9_VOLT78 "IX4427MTR" IX4427MTR 8425,31840 r90 top (schematic designator U9)
U9_VOLT79 "IX4427MTR" IX4427MTR 8425,32170 r90 top (schematic designator U9)
U9_VOLT80 "IX4427MTR" IX4427MTR 8425,32500 r90 top (schematic designator U9)
U9_VOLT81 "IX4427MTR" IX4427MTR 8385,32830 r90 top (schematic designator U9)
U9_VOLT82 "IX4427MTR" IX4427MTR 8425,33160 r90 top (schematic designator U9)
U9_VOLT83 "IX4427MTR" IX4427MTR 8425,33490 r90 top (schematic designator U9)
U9_VOLT84 "IX4427MTR" IX4427MTR 8425,33820 r90 top (schematic designator U9)
U9_VOLT85 "IX4427MTR" IX4427MTR 8425,34150 r90 top (schematic designator U9)
U9_VOLT86 "IX4427MTR" IX4427MTR 8425,34480 r90 top (schematic designator U9)
U9_VOLT87 "IX4427MTR" IX4427MTR 8425,34810 r90 top (schematic designator U9)
U9_VOLT88 "IX4427MTR" IX4427MTR 8425,35140 r90 top (schematic designator U9)
U9_VOLT89 "IX4427MTR" IX4427MTR 8425,35470 r90 top (schematic designator U9)
U9_VOLT90 "IX4427MTR" IX4427MTR 8425,35800 r90 top (schematic designator U9)
U9_VOLT91 "IX4427MTR" IX4427MTR 8385,36130 r90 top (schematic designator U9)
U9_VOLT92 "IX4427MTR" IX4427MTR 8425,36460 r90 top (schematic designator U9)
U9_VOLT93 "IX4427MTR" IX4427MTR 8425,36790 r90 top (schematic designator U9)
U9_VOLT94 "IX4427MTR" IX4427MTR 8425,37120 r90 top (schematic designator U9)
U9_VOLT95 "IX4427MTR" IX4427MTR 8425,37450 r90 top (schematic designator U9)
U9_VOLT96 "IX4427MTR" IX4427MTR 8425,37780 r90 top (schematic designator U9)
U9_VOLT97 "IX4427MTR" IX4427MTR 8425,38110 r90 top (schematic designator U9)
U9_VOLT98 "IX4427MTR" IX4427MTR 8425,38440 r90 top (schematic designator U9)
U9_VOLT99 "IX4427MTR" IX4427MTR 8425,38770 r90 top (schematic designator U9)
U9_VOLT100 "IX4427MTR" IX4427MTR 8525,39100 r90 top (schematic designator U9)
U9_VOLT101 "IX4427MTR" IX4427MTR 8485,39430 r90 top (schematic designator U9)
U9_VOLT102 "IX4427MTR" IX4427MTR 8525,39760 r90 top (schematic designator U9)
U9_VOLT103 "IX4427MTR" IX4427MTR 8525,40090 r90 top (schematic designator U9)
U9_VOLT104 "IX4427MTR" IX4427MTR 8525,40420 r90 top (schematic designator U9)
U9_VOLT105 "IX4427MTR" IX4427MTR 8525,40750 r90 top (schematic designator U9)
U9_VOLT106 "IX4427MTR" IX4427MTR 8525,41080 r90 top (schematic designator U9)
U9_VOLT107 "IX4427MTR" IX4427MTR 8525,41410 r90 top (schematic designator U9)
U9_VOLT108 "IX4427MTR" IX4427MTR 8525,41740 r90 top (schematic designator U9)
U9_VOLT109 "IX4427MTR" IX4427MTR 8525,42070 r90 top (schematic designator U9)
U9_VOLT110 "IX4427MTR" IX4427MTR 8505,42400 r90 top (schematic designator U9)
U9_VOLT111 "IX4427MTR" IX4427MTR 8465,42730 r90 top (schematic designator U9)
U9_VOLT112 "IX4427MTR" IX4427MTR 8505,43060 r90 top (schematic designator U9)
U9_VOLT113 "IX4427MTR" IX4427MTR 8505,43390 r90 top (schematic designator U9)
U9_VOLT114 "IX4427MTR" IX4427MTR 8505,43720 r90 top (schematic designator U9)
U9_VOLT115 "IX4427MTR" IX4427MTR 8505,44050 r90 top (schematic designator U9)
U9_VOLT116 "IX4427MTR" IX4427MTR 8505,44380 r90 top (schematic designator U9)
U9_VOLT117 "IX4427MTR" IX4427MTR 8505,44710 r90 top (schematic designator U9)
U9_VOLT118 "IX4427MTR" IX4427MTR 8505,45040 r90 top (schematic designator U9)
U9_VOLT119 "IX4427MTR" IX4427MTR 8505,45370 r90 top (schematic designator U9)
U9_VOLT120 "IX4427MTR" IX4427MTR 8525,45700 r90 top (schematic designator U9)
U9_VOLT121 "IX4427MTR" IX4427MTR 8485,46030 r90 top (schematic designator U9)
U9_VOLT122 "IX4427MTR" IX4427MTR 8525,46360 r90 top (schematic designator U9)
U9_VOLT123 "IX4427MTR" IX4427MTR 8525,46690 r90 top (schematic designator U9)
U9_VOLT124 "IX4427MTR" IX4427MTR 8525,47020 r90 top (schematic designator U9)
U9_VOLT125 "IX4427MTR" IX4427MTR 8525,47350 r90 top (schematic designator U9)
U9_VOLT126 "IX4427MTR" IX4427MTR 8525,47680 r90 top (schematic designator U9)
U9_VOLT127 "IX4427MTR" IX4427MTR 8525,48010 r90 top (schematic designator U9)
U9_VOLT128 "IX4427MTR" IX4427MTR 8525,48340 r90 top (schematic designator U9)
U9_VOLT129 "IX4427MTR" IX4427MTR 8525,48670 r90 top (schematic designator U9)
U9_VOLT130 "IX4427MTR" IX4427MTR 8525,49000 r90 top (schematic designator U9)
U9_VOLT131 "IX4427MTR" IX4427MTR 8485,49330 r90 top (schematic designator U9)
U9_VOLT132 "IX4427MTR" IX4427MTR 8525,49660 r90 top (schematic designator U9)
U9_VOLT133 "IX4427MTR" IX4427MTR 8525,49990 r90 top (schematic designator U9)
U9_VOLT134 "IX4427MTR" IX4427MTR 8525,50320 r90 top (schematic designator U9)
U9_VOLT135 "IX4427MTR" IX4427MTR 8525,50650 r90 top (schematic designator U9)
U9_VOLT136 "IX4427MTR" IX4427MTR 8525,50980 r90 top (schematic designator U9)
U9_VOLT137 "IX4427MTR" IX4427MTR 8525,51310 r90 top (schematic designator U9)
U9_VOLT138 "IX4427MTR" IX4427MTR 8525,51640 r90 top (schematic designator U9)
U9_VOLT139 "IX4427MTR" IX4427MTR 8525,51970 r90 top (schematic designator U9)
U9_VOLT140 "IX4427MTR" IX4427MTR 8525,52300 r90 top (schematic designator U9)
U9_VOLT141 "IX4427MTR" IX4427MTR 8485,52630 r90 top (schematic designator U9)
U9_VOLT142 "IX4427MTR" IX4427MTR 8525,52960 r90 top (schematic designator U9)
U9_VOLT143 "IX4427MTR" IX4427MTR 8525,53290 r90 top (schematic designator U9)
U9_VOLT144 "IX4427MTR" IX4427MTR 8525,53620 r90 top (schematic designator U9)
U9_VOLT145 "IX4427MTR" IX4427MTR 8525,53950 r90 top (schematic designator U9)
U9_VOLT146 "IX4427MTR" IX4427MTR 8525,54280 r90 top (schematic designator U9)
U9_VOLT147 "IX4427MTR" IX4427MTR 8525,54610 r90 top (schematic designator U9)
U9_VOLT148 "IX4427MTR" IX4427MTR 8525,54940 r90 top (schematic designator U9)
U9_VOLT149 "IX4427MTR" IX4427MTR 8525,55270 r90 top (schematic designator U9)
U9_VOLT150 "IX4427MTR" IX4427MTR 8525,55600 r90 top (schematic designator U9)
U14 "74HC151DB,118" 74HC151DB,118 10610,1590 r0 top
U15 "TPS61175PWPR" TPS61175PWPR 9540,2240 r90 top